# KiCad board gk-pcbv3.kicad_pcb (continued)
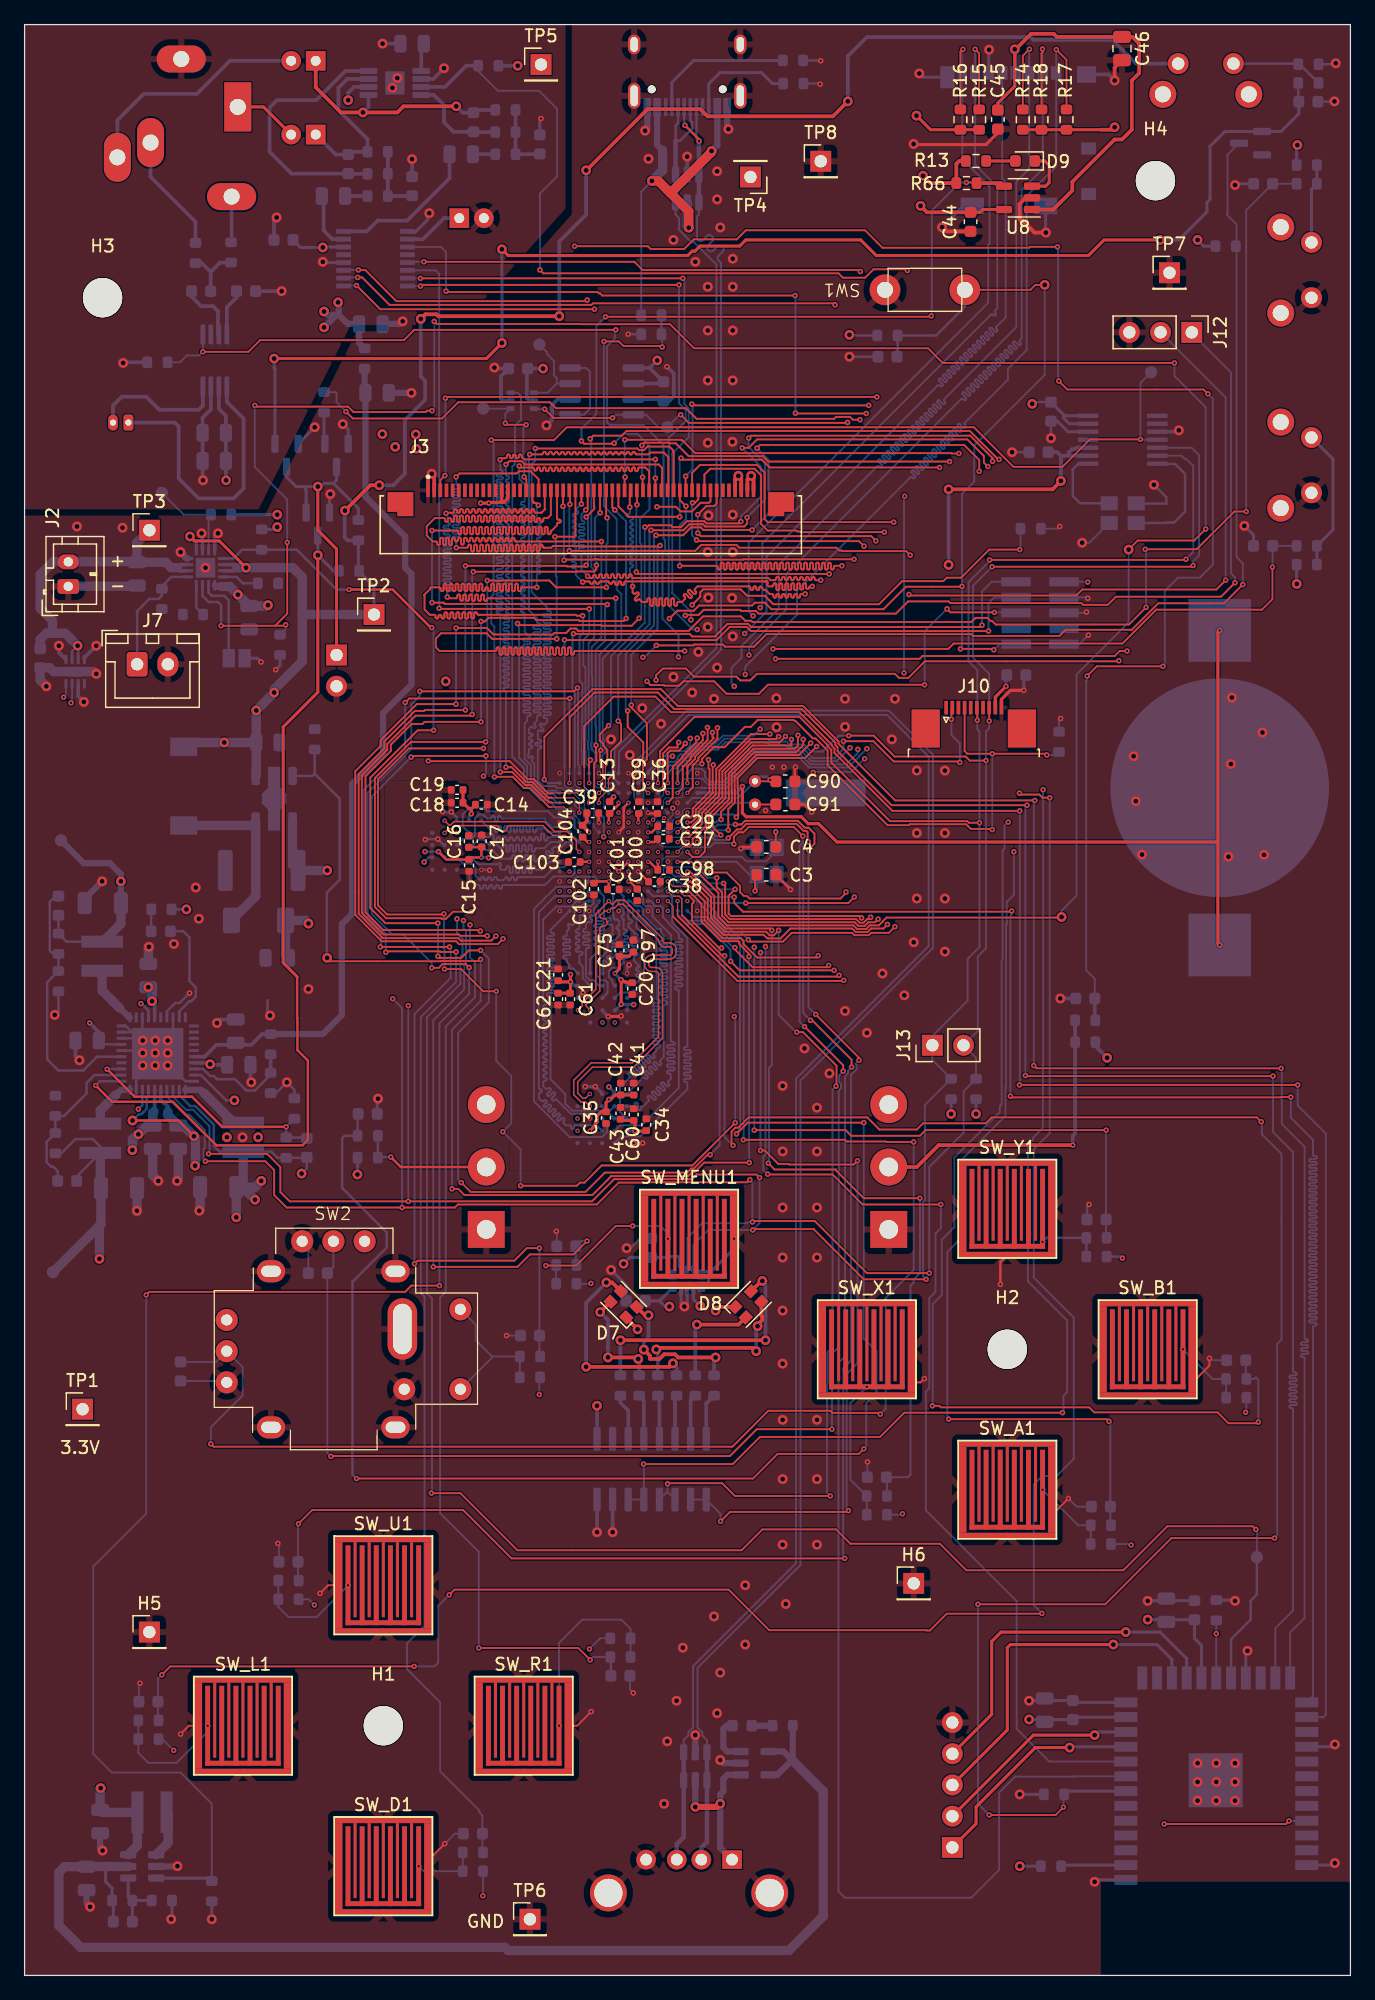
[diagram p0: board, top side]
## Routing (per net, layer and track width the routed paths; a pad name or vN(x,y) marks a point on that pad's centre or on a via; arc(x,y) is an arc through that point) (continued)
USB_D_P: length 65.3
  Top w0.203: v1(54.91,149.28) 54.91,149.41 v1(53.77,150.55)
  Bottom w0.152: U4.A9 48.39,97.85 48.39,98.88 ; 54.76,141.94 54.76,141.31 54.81,141.25
  Bottom w0.155: 54.76,141.94 54.76,143.14 54.9,143.29 U1.4 ; 54.81,141.25 54.87,141.19 arc(55.04,141.12) 55.21,141.19 55.58,141.56 arc(55.75,141.63) 55.92,141.56 56,141.48 arc(56.07,141.31) 56,141.14 55.63,140.77 arc(55.56,140.6) 55.63,140.43 55.72,140.34 arc(55.89,140.27) 56.06,140.34 56.43,140.71 arc(56.6,140.78) 56.76,140.71 56.85,140.63 arc(56.92,140.46) 56.85,140.29 56.48,139.92 arc(56.41,139.75) 56.48,139.58 56.69,139.37 56.69,107.88 48.39,99.57 48.39,98.88
  Bottom w0.203: v1(53.77,150.55) 53.7,150.62 J1.A6 ; v1(54.91,149.28) 54.7,149.49 J1.B6
  Bottom w0.366: 55.04,144.14 U1.4 U1.3 54.9,149.26 v1(54.91,149.28)
USB_HOST_D_N: length 126.7
  Bottom w0.155: U4.A7 49.97,98.56 49.99,98.58 49.99,99.01 53.9,102.92 70.38,102.92 73.97,99.34 73.97,83.62 63.17,72.82 63.17,33.4 54.79,25.02 54.79,20.13 54.85,20.13 55.18,19.79 55.18,19.53 55.56,19.15 U23.3
  Bottom w0.366: U23.3 U23.4 55.56,10.86 55.1,10.4 J14.2
USB_HOST_D_P: length 126.5
  Bottom w0.155: U4.B7 50.34,97.4 50.34,98.86 54.05,102.56 70.23,102.56 73.61,99.19 73.61,83.77 62.81,72.97 62.81,33.55 54.43,25.17 54.43,20.13 54.37,20.13 54.04,19.79 54.04,19.53 53.66,19.15 U23.1
  Bottom w0.366: U23.1 U23.6 53.66,11.24 53.1,10.68 J14.3
USB_VBUS: length 38.9
  Top w0.762: v2(54.08,142.23) 54.08,143.55 52.59,145.04 ; 52.59,145.04 55.93,148.38 v2(55.93,148.47) ; 52.59,145.04 51.6,146.03 v2(51.08,146.03)
  Bottom w0.152: R53.1 50.2,145.15 v2(51.08,146.03)
  Bottom w0.508: v2(55.93,148.47) 56.4,148.93 J1.A9 ; 16,113.03 15.57,113.03 U21.13 ; J1.A4 51.5,148.96 51.95,148.52
  Bottom w0.762: U1.5 53.95,142.35 v2(54.08,142.23) ; v2(51.08,146.03) 51.95,146.9 51.95,148.52 ; 16,113.03 16.7,113.03 C1.1 19.75,111.44 v2(19.81,111.51)
  vias: v2(17.37,112.36)
VCAP: length 128.1
  Top w0.203: C39.1 46.74,93.85 v3(46.77,93.83) ; C36.1 50.84,94.55 v3(50.77,94.63) ; C38.1 49.99,89.83 v3(49.97,89.83) ; v3(48.37,93.03) 48.78,93.44 48.78,95.04 v3(49.17,95.43)
  In2.Cu w0.203: 50.36,89.43 v3(49.97,89.83) 50.39,90.25 ; 50.36,89.43 50.52,89.27 50.52,89.18 51.08,88.62 54.23,88.62 54.71,89.1 54.86,89.1 54.52,89.45 ; 50.36,89.43 53.42,89.43 53.43,89.45 54.52,89.45 ; 50.39,90.25 50.39,91.01 v3(49.97,91.43) ; 50.39,90.25 52.6,90.25 52.61,90.25 54.25,90.25 54.52,89.98 54.52,89.45
  In2.Cu w0.762: 54.86,89.1 56.82,87.15 56.82,84.91 55.96,84.05 55.96,82.45 56.85,81.56 56.85,66.73 53.24,63.12 35.81,63.12 34.8,62.1 34.8,61.98 34.29,61.47 28.8,61.47 28.68,61.6 20.33,61.6 15.63,56.9 7.37,56.9 6.1,58.17 v2(6.1,58.32)
  In3.Cu w0.203: 49.38,91.06 48.73,91.06 v3(48.37,91.43) ; 49.38,91.06 49.6,90.84 49.6,90.19 v3(49.97,89.83) ; 49.38,91.06 49.6,91.06 v3(49.97,91.43)
  Bottom w0.203: C77.1 4.25,65.02 L5.1 6.16,67.44 5.56,68.05 4.13,68.05 2.97,66.89 R95.1
  Bottom w0.762: 6.21,61.13 C27.1 6.21,63.58 ; 6.21,61.13 TP12.1 ; 6.21,61.13 6.1,61.01 v2(6.1,58.32) ; L5.1 6.16,64.11
  vias: v3(46.77,90.63) v3(49.97,93.03)
VFB_B1: length 21.2
  Top w0.203: v1(6.72,73.74) 8.96,71.51 13.63,71.51 16.08,69.06 v1(21.3,69.06)
  Bottom w0.203: R90.1 v1(21.3,69.06) R89.2 22.92,68.18 C78.2 ; v1(6.72,73.74) 6.74,73.76 U26.23
VFB_B2: length 13.3
  Bottom w0.203: C77.2 2.7,65.45 2.33,65.82 2.15,65.82 1.8,66.17 1.8,67.83 R95.2 R96.1 3.23,69.94 5.05,71.76 5.05,72.63 5.68,73.26 U26.22
VFB_B3: length 21.5
  Bottom w0.203: U26.25 5.89,74.76 5.89,74.74 4.79,73.64 2.74,73.64 1.85,74.54 1.85,80.82 R94.1 R93.2 2.32,83.13 2.05,83.4 2.05,87.36 2.52,87.83 C85.2
VFB_L1: length 9.2
  Bottom w0.203: R72.1 20.03,73.29 18.76,72.02 18.05,72.02 17.14,72.93 15.66,72.93 15.41,73.18 15.11,73.18 14.53,73.76 U26.8
  Bottom w0.305: R55.2 R72.1
VLITH: length 28.8
  Bottom w0.203: U10.3 4.36,108.16 v2(4.32,108.2) 3.86,107.75 U10.2
  Bottom w0.305: U21.3 12.7,114.8 12.45,114.55 12.7,114.3 U21.2
  Bottom w0.762: TP3.1 9.14,116.59 C2.1 ; 2.27,109.22 1.78,109.22 1.27,108.71 C79.1 ; 2.27,109.22 3.3,109.22 v2(4.32,108.2) ; 2.27,109.22 2.27,110.25 1.27,111.25 1.27,114 2.32,115.05 9.09,115.05 C2.1 ; 12.45,114.55 11.94,114.55 11.5,115 C2.1
VREG_PGOOD: length 9.1
  Bottom w0.203: U26.39 12.59,78.44 13.43,79.28 13.58,79.28 13.94,79.64 13.94,80.4 13.43,80.91 13.43,84.46 12.92,84.97 D1.1
VREGEN: length 75.1
  Top w0.203: 22.19,81.27 22.19,77.92 22.22,77.89 22.22,75.29 23.07,74.44 23.07,67.99 22.62,67.54 15.62,67.54 12.07,71.09 7.12,71.09 v1(5.79,72.42)
  Top w0.25: v2(23.88,115.57) 23.88,104.42 21.06,101.6 21.06,82.4 22.19,81.27
  Bottom w0.203: v1(5.79,72.42) 6.14,72.76 U26.21
  Bottom w0.25: R82.2 25.15,114.3 v2(23.88,115.57) Q4.3
VREGIN: length 255.8
  Top w0.203: v2(8.79,69.57) 12.52,69.57 v2(13.79,68.29)
  Top w0.25: v2(18.03,114.55) 15.85,116.73 13.82,116.73 v2(13.46,117.09)
  Top w0.305: v2(32.26,134.8) 32.64,135.18 33.53,135.18 33.69,135.02 v2(43.54,135.02) ; v2(45.72,146.89) 45.75,146.89 50.72,151.87 55.02,151.87 55.6,151.28 65.81,151.28 v2(67.03,152.5) ; v2(26.09,119.2) 28.14,121.26 v2(28.88,121.26)
  In3.Cu w0.305: 10.48,79.38 8.6,77.5 v1(5.3,77.5)
  In3.Cu w0.762: v2(6.2,15.24) 6.17,15.27 6.17,30.23 8.03,32.08 8.03,57.94 13.89,63.8 v2(13.89,65.9)
  Bottom w0.203: v2(8.79,69.57) 9.3,70.08 9.5,70.08 9.94,70.52 9.94,71.39 10.09,71.54 U26.17 ; R97.1 v2(13.18,86.75) ; C87.1 6.36,75.76 U26.27
  Bottom w0.25: R78.1 27.18,114.3 28.45,113.03 TP2.1 ; U21.5 13.98,116.57 v2(13.46,117.09)
  Bottom w0.305: U21.11 17.02,114.3 17.27,114.55 17.02,114.8 U21.10 ; v2(45.72,146.89) 45.72,143.28 43.54,141.1 v2(43.54,135.02) ; v2(28.88,121.26) 30.02,121.26 30.96,122.2 30.96,126.57 32.61,128.22 32.61,129.77 32.26,130.12 v2(32.26,134.8) ; U26.35 10.59,79.07 v2(10.38,79.28) ; SW_ONOFF1.2 90.5,155.58 88.57,157.51 82.12,157.51 81.89,157.73 68.58,157.73 67.03,156.18 v2(67.03,152.5) ; U26.15 11.09,71.25 11.39,70.94 11.44,70.94 11.67,70.72 11.67,70.29 ; C87.1 6.05,76.76 v1(5.3,77.5) ; U26.7 14.99,74.26 v2(15.11,74.15) 15.16,74.1 C28.1 ; U26.16 10.59,70.34 10.54,70.29 ; v2(26.09,119.2) 26.09,118.72 26.06,118.69 26.06,117.02 26.3,116.78 R78.1
  Bottom w0.762: 22.61,110.74 22.61,113.79 21.84,114.55 v2(18.03,114.55) 17.27,114.55 ; 22.61,110.74 TP2.1 ; 22.61,110.74 22.61,106.93 20.32,104.65 v2(20.32,104.39) v2(18.86,102.94) C30.1 ; L1.1 13.31,100.33 C30.1 ; v2(10.38,79.28) 10.38,80.11 v2(10.08,80.41) ; C30.1 18.86,97.65 U22.1 ; v2(13.89,65.9) 13.91,65.92 13.91,68.17 v2(13.79,68.29) 12.93,69.16 C89.1 11.67,70.01 11.67,70.29 ; U20.6 9.19,10.57 L2.2 6.35,13.27 C7.1 6.15,15.19 v2(6.2,15.24) ; 10.54,70.29 10.43,70.19 C88.1 9.98,69.16 v2(9.27,68.44) 9.2,68.44 8.78,68.03 v2(8.78,67.17)
  vias: v2(16.26,100.33)
VUSB_OUT: length 100.3
  Bottom w0.254: 6.6,8.87 6.6,7.62 7.13,7.1 R12.1 7.23,6 C9.1
  Bottom w0.508: 62.48,17.53 62.55,17.59 R73.2 ; 62.48,17.53 61.28,16.32 U24.5 ; 62.48,17.53 61.79,18.22 U24.4
  Bottom w0.762: 62.48,17.53 65.02,14.99 65.02,4.83 62.23,2.03 39.37,2.03 39.12,2.29 4.57,2.29 2.79,4.06 2.79,8.38 3.26,8.85 C10.1 5.08,8.87 U20.5
WIFI_CHIP_EN: length 135.8
  Top w0.09: 54.25,93.41 53.55,93.41 v3(53.17,93.03)
  Top w0.152: 54.2,93.41 54.22,93.41 54.9,94.08 54.9,94.72 56.28,96.1 56.28,97.01 56.31,97.05 56.31,98.17 59.15,101.02 v1(60.68,101.02) ; v1(89.76,107.77) 89.15,107.77 88.75,107.37 73.1,107.37 72.87,107.14 v1(61.14,107.14)
  In3.Cu w0.152: v1(61.14,107.14) 61.14,105.46 60.33,104.65 60.33,101.37 v1(60.68,101.02) ; v1(97.03,27.81) 97.03,33.88 93.37,37.54 93.37,57.05 93.29,57.12 93.29,59.97 89.48,63.78 89.48,100.61 89.76,100.89 v1(89.76,107.77)
  Bottom w0.152: 97.03,28.89 v1(97.03,27.81) 97.03,27.81 U25.19
WIFI_IRQ: length 158.4
  Top w0.152: v3(52.37,97.03) 52.37,98.36 52.35,98.37 52.35,99.44 52.58,99.67 53.29,99.67 53.64,100.03 53.64,100.1 v1(53.8,100.25) ; v1(102.95,12.57) 102.69,12.32 v1(92.79,12.32) ; v1(51.41,105.41) 51.41,105.79 51.97,106.35 53.85,106.35 54.51,105.69 57.96,105.69 58.27,105.38 59.08,105.38 59.61,105.92 70.87,105.92 71.2,105.59 71.96,105.59 73.3,106.93 89.05,106.93 v1(89.1,106.98)
  In3.Cu w0.152: v1(51.41,105.41) 51.41,104.95 54.06,102.3 54.06,101.09 53.8,100.83 v1(53.8,100.25) ; v1(92.79,12.32) 92.74,12.37 92.74,31.55 92.79,31.6 92.79,31.72 92.99,31.93 92.99,59.61 89.1,63.5 v1(89.1,106.98)
  Bottom w0.152: U25.33 104.38,12.57 v1(102.95,12.57)
WIFI_NRST: length 160.3
  Top w0.09: 53.51,86.27 53.51,87.62 53.31,87.82 52.77,87.82 v3(52.37,88.23)
  Top w0.152: v1(101.78,35.59) 93.37,35.59 87.99,30.2 v1(77.62,30.2) ; 78.74,69.82 100.33,69.82 v1(100.69,69.47) ; v1(57.68,67.54) 57.56,67.66 57.56,68.66 57.89,68.99 58.12,68.99 58.95,69.82 68.61,69.82 69.6,68.83 72.64,68.83 73.15,69.34 74.42,69.34 ; 53.51,86.27 56.8,82.98 v1(56.99,82.98) ; v1(78.54,13.06) 83.95,13.06 v1(84.58,13.69)
  Top w0.156: 78.74,69.82 78.26,69.34 74.42,69.34
  Bottom w0.152: v1(84.58,13.69) 84.58,14.67 R27.1 ; v1(56.99,82.98) 56.99,68.23 v1(57.68,67.54) ; v1(78.54,13.06) 77.62,13.97 v1(77.62,30.2) ; v1(100.69,69.47) 100.74,69.42 100.74,68.45 102.34,66.85 102.34,51.74 101.98,51.38 101.98,35.79 v1(101.78,35.59)
  Bottom w0.254: R27.1 84.91,15 U25.7
XPSI2_RESET#: length 23.5
  Top w0.09: 42.92,96.2 42.94,96.23 v3(45.17,96.23)
  Top w0.152: 42.92,96.2 42.62,96.2 41.47,97.35 40.97,97.35 39.51,98.81 32.89,98.81 v1(32.87,98.83)
  In3.Cu w0.152: v1(32.87,98.83) 32.87,94.72 31.67,93.52 31.67,91.14 32.05,90.75 32.38,90.75 v1(32.54,90.6)
  Bottom w0.152: v1(32.54,90.6) 32.91,90.97 U5.A4
XSPI1_CK_N: length 38
  Top w0.122: v3(46.02,71.73) 45.69,71.39 45.45,71.39 45.04,71.8 45.04,72.71 46.23,73.91 49.58,73.91 51.94,76.26 51.94,81.46 arc(51.77,81.86) 51.37,82.02 51.05,82.02 arc(50.88,82.09) 50.81,82.26 50.81,82.46 arc(50.88,82.63) 51.05,82.7 52.5,82.7 arc(52.9,82.86) 53.06,83.26 53.06,83.46 arc(52.9,83.86) 52.5,84.02 52.17,84.02 arc(52.01,84.09) 51.94,84.26 51.94,84.4 48.84,87.49 48.21,87.49 47.9,87.19 47.8,87.19 v3(47.57,87.43) 46.51,86.37 46.51,80.25 45.4,79.13 45.4,78.88 v3(45.06,78.54)
XSPI1_CK_P: length 38
  Top w0.122: v3(46.06,78.54) 45.72,78.88 45.72,79 46.84,80.11 46.84,85.16 arc(46.91,85.33) 47.08,85.4 47.17,85.4 arc(47.34,85.47) 47.41,85.64 47.41,85.76 arc(47.34,85.93) 47.17,86 47.08,86 arc(46.91,86.07) 46.84,86.24 47.23,86.63 v3(47.57,86.63) 47.8,86.86 48.04,86.86 48.35,87.17 48.7,87.17 51.61,84.26 arc(51.78,83.86) 52.17,83.7 52.5,83.7 arc(52.67,83.63) 52.74,83.46 52.74,83.26 arc(52.67,83.09) 52.5,83.02 51.05,83.02 arc(50.65,82.86) 50.49,82.46 50.49,82.26 arc(50.65,81.86) 51.05,81.7 51.37,81.7 arc(51.54,81.63) 51.61,81.46 51.61,76.4 49.47,74.26 46.12,74.26 44.71,72.85 44.71,71.67 45.31,71.07 45.69,71.07 v3(46.02,70.73)
XSPI1_CS#: length 22.5
  In3.Cu w0.156: v3(45.17,86.63) 46.65,85.15 46.65,80.37 46.44,80.16 46.44,78.05 46.63,77.86 46.73,77.86 v3(47.06,77.54) 47.06,77.18 48.54,75.7 48.54,69.79 47.88,69.13 46.17,69.13 46.04,69.25 45.5,69.25 v3(45.02,69.73)
XSPI1_DQ0: length 11.3
  Bottom w0.156: U4.P11 46.77,87.27 46.37,86.88 46.37,86.23 arc(46.3,86.2) 46.23,86.23 46.21,86.24 arc(46.14,86.27) 46.07,86.24 46.03,86.21 arc(46,86.14) 46.03,86.06 46.21,85.88 arc(46.24,85.81) 46.21,85.74 46.17,85.7 arc(46.1,85.67) 46.03,85.7 46.01,85.72 arc(45.94,85.75) 45.86,85.72 45.7,85.56 45.7,85.25 arc(45.67,85.18) 45.6,85.15 45.58,85.15 arc(45.5,85.12) 45.47,85.04 45.47,84.99 arc(45.5,84.92) 45.58,84.89 45.88,84.89 arc(45.95,84.86) 45.98,84.79 45.98,84.73 arc(45.95,84.66) 45.88,84.63 45.58,84.63 arc(45.5,84.6) 45.47,84.53 45.47,84.48 arc(45.5,84.4) 45.58,84.37 45.88,84.37 arc(45.95,84.34) 45.98,84.27 45.98,84.22 arc(45.95,84.14) 45.88,84.11 45.58,84.11 arc(45.5,84.08) 45.47,84.01 45.47,83.96 arc(45.5,83.89) 45.58,83.86 45.88,83.86 arc(45.95,83.83) 45.98,83.75 45.98,83.7 arc(45.95,83.63) 45.88,83.6 45.81,83.6 arc(45.73,83.57) 45.7,83.49 45.7,81.3 46.02,80.98 46.32,80.98 46.76,80.54 U6.D3
XSPI1_DQ1: length 11.3
  Bottom w0.156: U6.D2 45.45,81.15 45.45,82.11 45.17,82.38 45.17,82.95 arc(45.2,83.02) 45.28,83.05 45.32,83.05 arc(45.39,83.08) 45.42,83.16 45.42,83.21 arc(45.39,83.28) 45.32,83.31 44.98,83.31 arc(44.9,83.34) 44.87,83.41 44.87,83.47 arc(44.9,83.54) 44.98,83.57 45.07,83.57 arc(45.14,83.6) 45.17,83.67 45.17,83.72 arc(45.14,83.8) 45.07,83.83 44.98,83.83 arc(44.9,83.86) 44.87,83.93 44.87,83.98 arc(44.9,84.05) 44.98,84.08 45.07,84.08 arc(45.14,84.11) 45.17,84.19 45.17,84.24 arc(45.14,84.31) 45.07,84.34 44.98,84.34 arc(44.9,84.37) 44.87,84.45 44.87,84.5 arc(44.9,84.57) 44.98,84.6 45.07,84.6 arc(45.14,84.63) 45.17,84.7 45.17,84.76 arc(45.14,84.83) 45.07,84.86 44.98,84.86 arc(44.9,84.89) 44.87,84.96 44.87,85.01 arc(44.9,85.09) 44.98,85.12 45.07,85.12 arc(45.14,85.15) 45.17,85.22 45.17,85.84 45.24,85.9 arc(45.27,85.97) 45.24,86.05 45.21,86.08 arc(45.18,86.15) 45.21,86.22 45.24,86.26 arc(45.32,86.29) 45.39,86.26 45.42,86.23 arc(45.49,86.2) 45.57,86.23 45.57,86.87 45.72,87.03 46.12,87.03 46.32,87.23 46.32,87.87 U4.N12
XSPI1_DQ2: length 11.3
  Bottom w0.156: U4.N9 48.77,87.82 48.77,87.18 48.92,87.03 49.27,87.03 49.52,86.78 49.52,86.18 49.82,85.88 49.82,85.27 50.42,84.68 50.42,84.68 50.42,80.88 49.67,80.13 49.52,80.13 49.37,79.98 48.5,79.98 U6.C4
XSPI1_DQ3: length 11.3
  Bottom w0.156: U6.D4 47.87,80.72 47.87,80.93 47.57,81.23 47.57,81.73 47.85,82 48.35,82 48.77,82.43 48.77,82.68 arc(48.8,82.75) 48.88,82.78 49.03,82.78 arc(49.1,82.81) 49.13,82.89 49.13,82.94 arc(49.1,83.01) 49.03,83.04 48.57,83.04 arc(48.5,83.07) 48.47,83.14 48.47,83.2 arc(48.5,83.27) 48.57,83.3 49.03,83.3 arc(49.1,83.33) 49.13,83.4 49.13,83.45 arc(49.1,83.53) 49.03,83.56 48.88,83.56 arc(48.8,83.59) 48.77,83.66 48.77,83.71 arc(48.8,83.78) 48.88,83.82 49.03,83.82 arc(49.1,83.85) 49.13,83.92 49.13,83.97 arc(49.1,84.04) 49.03,84.07 48.88,84.07 arc(48.8,84.1) 48.77,84.18 48.77,84.23 arc(48.8,84.3) 48.88,84.33 49.03,84.33 arc(49.1,84.36) 49.13,84.43 49.13,84.49 arc(49.1,84.56) 49.03,84.59 48.88,84.59 arc(48.8,84.62) 48.77,84.69 48.77,84.74 arc(48.8,84.82) 48.88,84.85 48.93,84.85 arc(49,84.88) 49.03,84.95 49.03,85 arc(49,85.08) 48.93,85.11 48.88,85.11 arc(48.8,85.14) 48.77,85.21 48.77,85.93 arc(48.75,85.98) 48.7,86 arc(48.64,86.03) 48.62,86.08 48.62,86.18 arc(48.64,86.24) 48.7,86.26 arc(48.75,86.29) 48.77,86.34 48.77,86.79 48.37,87.19 U4.P9
XSPI1_DQ4: length 11.3
  Bottom w0.156: U6.D5 49.15,80.63 49.67,80.63 50.07,81.03 50.07,81.15 arc(50.04,81.22) 49.97,81.25 49.88,81.25 arc(49.8,81.28) 49.77,81.35 49.77,81.41 arc(49.8,81.48) 49.88,81.51 49.97,81.51 arc(50.04,81.54) 50.07,81.61 50.07,81.66 arc(50.04,81.74) 49.97,81.77 49.88,81.77 arc(49.8,81.8) 49.77,81.87 49.77,81.92 arc(49.8,81.99) 49.88,82.02 49.97,82.02 arc(50.04,82.06) 50.07,82.13 49.62,82.58 49.62,82.87 arc(49.65,82.94) 49.73,82.97 49.82,82.97 arc(49.89,83) 49.92,83.07 49.92,83.12 arc(49.89,83.2) 49.82,83.23 49.52,83.23 arc(49.45,83.26) 49.42,83.33 49.42,83.39 arc(49.45,83.46) 49.52,83.48 49.82,83.48 arc(49.89,83.51) 49.92,83.59 49.92,83.64 arc(49.89,83.71) 49.82,83.74 49.52,83.74 arc(49.45,83.77) 49.42,83.84 49.42,83.9 arc(49.45,83.97) 49.52,84 49.82,84 arc(49.89,84.03) 49.92,84.1 49.92,84.16 arc(49.89,84.23) 49.82,84.26 49.52,84.26 arc(49.45,84.29) 49.42,84.36 49.42,84.42 arc(49.45,84.49) 49.52,84.52 49.82,84.52 arc(49.89,84.55) 49.92,84.62 49.92,84.67 arc(49.89,84.74) 49.82,84.77 49.73,84.77 arc(49.65,84.81) 49.62,84.88 49.17,85.34 49.17,85.56 arc(49.2,85.63) 49.27,85.66 49.36,85.66 arc(49.44,85.69) 49.47,85.76 49.47,85.82 arc(49.44,85.89) 49.36,85.92 49.27,85.92 arc(49.2,85.95) 49.17,86.02 U4.R8
XSPI1_DQ5: length 11.3
  Bottom w0.156: U6.E3 47.06,81.96 47.21,82.12 arc(47.24,82.19) 47.21,82.26 47.09,82.39 arc(47.06,82.46) 47.09,82.53 47.13,82.57 arc(47.2,82.6) 47.27,82.57 47.56,82.28 arc(47.63,82.25) 47.7,82.28 47.74,82.32 arc(47.77,82.39) 47.74,82.47 47.45,82.75 arc(47.42,82.82) 47.45,82.9 47.49,82.93 arc(47.56,82.96) 47.64,82.93 47.76,82.81 arc(47.83,82.78) 47.91,82.81 48.12,83.03 48.12,83.35 arc(48.09,83.42) 48.02,83.45 47.9,83.45 arc(47.82,83.48) 47.79,83.55 47.79,83.61 arc(47.82,83.68) 47.9,83.71 48.35,83.71 arc(48.42,83.74) 48.45,83.81 48.45,83.86 arc(48.42,83.94) 48.35,83.97 47.9,83.97 arc(47.82,84) 47.79,84.07 47.79,84.12 arc(47.82,84.19) 47.9,84.22 48.02,84.22 arc(48.09,84.26) 48.12,84.33 48.42,84.63 48.42,85.01 arc(48.39,85.08) 48.32,85.11 48.3,85.11 arc(48.22,85.14) 48.19,85.21 48.19,85.26 arc(48.22,85.34) 48.3,85.37 48.32,85.37 arc(48.39,85.4) 48.42,85.47 48.42,85.78 48.27,85.93 arc(48.21,85.95) 48.16,85.93 arc(48.1,85.9) 48.04,85.93 47.97,85.99 arc(47.95,86.05) 47.97,86.11 arc(48,86.17) 47.97,86.23 47.92,86.28 47.92,87.87 U4.N10
XSPI1_DQ6: length 11.3
  Bottom w0.156: U4.R11 46.77,86.16 arc(46.74,86.09) 46.66,86.06 46.62,86.06 arc(46.55,86.03) 46.52,85.96 46.52,85.9 arc(46.55,85.83) 46.62,85.8 47.06,85.8 arc(47.13,85.77) 47.16,85.7 47.16,85.65 arc(47.13,85.57) 47.06,85.54 46.47,85.54 arc(46.4,85.51) 46.37,85.44 46.37,85.39 arc(46.4,85.31) 46.47,85.28 47.06,85.28 arc(47.13,85.25) 47.16,85.18 47.16,85.13 arc(47.13,85.06) 47.06,85.03 46.47,85.03 arc(46.4,85) 46.37,84.92 46.37,84.87 arc(46.4,84.8) 46.47,84.77 47.06,84.77 arc(47.13,84.74) 47.16,84.67 47.16,84.61 arc(47.13,84.54) 47.06,84.51 46.47,84.51 arc(46.4,84.48) 46.37,84.41 46.37,84.36 arc(46.4,84.28) 46.47,84.25 47.06,84.25 arc(47.13,84.22) 47.16,84.15 47.16,84.1 arc(47.13,84.02) 47.06,83.99 46.47,83.99 arc(46.4,83.96) 46.37,83.89 46.37,83.84 arc(46.4,83.77) 46.47,83.74 46.66,83.74 arc(46.74,83.71) 46.77,83.63 46.77,83.42 46.06,82.71 U6.E2
XSPI1_DQ7: length 11.3
  Bottom w0.156: U4.P12 45.76,87.43 45.36,87.03 44.97,87.03 44.77,86.83 44.77,85.62 44.71,85.55 44.71,85.54 44.65,85.48 arc(44.58,85.45) 44.5,85.48 44.45,85.54 arc(44.37,85.57) 44.3,85.54 44.26,85.51 arc(44.23,85.43) 44.26,85.36 44.32,85.3 arc(44.35,85.23) 44.32,85.16 44.14,84.98 44.14,84.67 arc(44.11,84.6) 44.04,84.57 43.96,84.57 arc(43.88,84.53) 43.85,84.46 43.85,84.41 arc(43.88,84.34) 43.96,84.31 44.33,84.31 arc(44.4,84.28) 44.43,84.2 44.43,84.15 arc(44.4,84.08) 44.33,84.05 43.96,84.05 arc(43.88,84.02) 43.85,83.95 43.85,83.89 arc(43.88,83.82) 43.96,83.79 44.33,83.79 arc(44.4,83.76) 44.43,83.69 44.43,83.64 arc(44.4,83.56) 44.33,83.53 43.96,83.53 arc(43.88,83.5) 43.85,83.43 43.85,83.38 arc(43.88,83.31) 43.96,83.27 44.33,83.27 arc(44.4,83.24) 44.43,83.17 44.43,83.12 arc(44.4,83.05) 44.33,83.02 43.96,83.02 arc(43.88,82.99) 43.85,82.91 43.85,82.86 arc(43.88,82.79) 43.96,82.76 44.04,82.76 arc(44.11,82.73) 44.14,82.66 44.14,82.46 44.36,82.24 arc(44.39,82.17) 44.36,82.11 arc(44.33,82.05) 44.36,81.98 44.41,81.93 arc(44.48,81.9) 44.54,81.93 arc(44.61,81.95) 44.67,81.93 U6.E1
XSPI1_DQ8: length 31.1
  Bottom w0.156: U4.P13 44.9,87.43 44.86,87.38 44.86,87.31 44.53,86.98 43.28,86.98 42.22,85.93 42.22,79.35 arc(42.25,79.27) 42.33,79.24 42.41,79.24 arc(42.48,79.21) 42.51,79.14 42.51,79.09 arc(42.48,79.01) 42.41,78.98 42.33,78.98 arc(42.25,78.95) 42.22,78.88 42.22,78.83 arc(42.25,78.76) 42.33,78.73 42.41,78.73 arc(42.48,78.7) 42.51,78.62 42.51,78.57 arc(42.48,78.5) 42.41,78.47 42.33,78.47 arc(42.25,78.44) 42.22,78.36 42.22,78.31 arc(42.25,78.24) 42.33,78.21 42.41,78.21 arc(42.48,78.18) 42.51,78.11 42.51,78.05 arc(42.48,77.98) 42.41,77.95 42.33,77.95 arc(42.25,77.92) 42.22,77.85 42.22,77.8 arc(42.25,77.72) 42.33,77.69 42.41,77.69 arc(42.48,77.66) 42.51,77.59 42.51,77.54 arc(42.48,77.47) 42.41,77.44 42.33,77.44 arc(42.25,77.41) 42.22,77.33 42.22,77.28 arc(42.25,77.21) 42.33,77.18 42.41,77.18 arc(42.48,77.15) 42.51,77.07 42.51,77.02 arc(42.48,76.95) 42.41,76.92 42.33,76.92 arc(42.25,76.89) 42.22,76.82 42.22,76.76 arc(42.25,76.69) 42.33,76.66 42.41,76.66 arc(42.48,76.63) 42.51,76.56 42.51,76.51 arc(42.48,76.43) 42.41,76.4 42.33,76.4 arc(42.25,76.37) 42.22,76.3 42.22,76.25 arc(42.25,76.18) 42.33,76.15 42.41,76.15 arc(42.48,76.11) 42.51,76.04 42.51,75.99 arc(42.48,75.92) 42.41,75.89 42.33,75.89 arc(42.25,75.86) 42.22,75.78 42.22,75.73 arc(42.25,75.66) 42.33,75.63 42.41,75.63 arc(42.48,75.6) 42.51,75.53 42.51,75.47 arc(42.48,75.4) 42.41,75.37 42.33,75.37 arc(42.25,75.34) 42.22,75.27 42.22,75.22 arc(42.25,75.14) 42.33,75.11 42.41,75.11 arc(42.48,75.08) 42.51,75.01 42.51,74.96 arc(42.48,74.89) 42.41,74.85 42.33,74.85 arc(42.25,74.82) 42.22,74.75 42.22,74.7 arc(42.25,74.63) 42.33,74.6 42.41,74.6 arc(42.48,74.57) 42.51,74.49 42.51,74.44 arc(42.48,74.37) 42.41,74.34 42.33,74.34 arc(42.25,74.31) 42.22,74.24 42.22,74.18 arc(42.25,74.11) 42.33,74.08 42.41,74.08 arc(42.48,74.05) 42.51,73.98 42.51,73.93 arc(42.48,73.85) 42.41,73.82 42.33,73.82 arc(42.25,73.79) 42.22,73.72 42.22,73.67 arc(42.25,73.59) 42.33,73.56 42.41,73.56 arc(42.48,73.53) 42.51,73.46 42.51,73.41 arc(42.48,73.34) 42.41,73.31 42.33,73.31 arc(42.25,73.28) 42.22,73.2 42.22,73.15 arc(42.25,73.08) 42.33,73.05 42.41,73.05 arc(42.48,73.02) 42.51,72.95 42.51,72.89 arc(42.48,72.82) 42.41,72.79 42.33,72.79 arc(42.25,72.76) 42.22,72.69 42.22,72.36 42.44,72.15 arc(42.51,72.11) 42.59,72.15 42.64,72.2 arc(42.72,72.23) 42.79,72.2 42.83,72.17 arc(42.86,72.09) 42.83,72.02 42.57,71.76 arc(42.54,71.69) 42.57,71.61 42.6,71.58 arc(42.68,71.55) 42.75,71.58 43.01,71.84 arc(43.08,71.87) 43.16,71.84 43.19,71.8 arc(43.22,71.73) 43.19,71.65 42.93,71.4 arc(42.9,71.32) 42.93,71.25 42.97,71.21 arc(43.04,71.18) 43.11,71.21 43.17,71.27 arc(43.24,71.3) 43.32,71.27 44.47,70.12 47.64,70.12 U17.D3
XSPI1_DQ9: length 31.1
  Bottom w0.156: U4.R14 42.82,85.08 42.82,84.95 arc(42.85,84.88) 42.93,84.84 43.01,84.84 arc(43.09,84.81) 43.12,84.74 43.12,84.69 arc(43.09,84.62) 43.01,84.59 42.63,84.59 arc(42.56,84.56) 42.53,84.48 42.53,84.43 arc(42.56,84.36) 42.63,84.33 43.01,84.33 arc(43.09,84.3) 43.12,84.23 43.12,84.17 arc(43.09,84.1) 43.01,84.07 42.63,84.07 arc(42.56,84.04) 42.53,83.97 42.53,83.92 arc(42.56,83.84) 42.63,83.81 43.01,83.81 arc(43.09,83.78) 43.12,83.71 43.12,83.66 arc(43.09,83.58) 43.01,83.55 42.63,83.55 arc(42.56,83.52) 42.53,83.45 42.53,83.4 arc(42.56,83.33) 42.63,83.3 43.01,83.3 arc(43.09,83.27) 43.12,83.19 43.12,83.14 arc(43.09,83.07) 43.01,83.04 42.63,83.04 arc(42.56,83.01) 42.53,82.94 42.53,82.88 arc(42.56,82.81) 42.63,82.78 43.01,82.78 arc(43.09,82.75) 43.12,82.68 43.12,82.63 arc(43.09,82.55) 43.01,82.52 42.63,82.52 arc(42.56,82.49) 42.53,82.42 42.53,82.37 arc(42.56,82.29) 42.63,82.26 43.01,82.26 arc(43.09,82.23) 43.12,82.16 43.12,82.11 arc(43.09,82.04) 43.01,82.01 42.63,82.01 arc(42.56,81.98) 42.53,81.9 42.53,81.85 arc(42.56,81.78) 42.63,81.75 43.01,81.75 arc(43.09,81.72) 43.12,81.64 43.12,81.59 arc(43.09,81.52) 43.01,81.49 42.63,81.49 arc(42.56,81.46) 42.53,81.39 42.53,81.34 arc(42.56,81.26) 42.63,81.23 43.01,81.23 arc(43.09,81.2) 43.12,81.13 43.12,81.08 arc(43.09,81) 43.01,80.97 42.63,80.97 arc(42.56,80.94) 42.53,80.87 42.53,80.82 arc(42.56,80.75) 42.63,80.72 43.01,80.72 arc(43.09,80.69) 43.12,80.61 43.12,80.56 arc(43.09,80.49) 43.01,80.46 42.63,80.46 arc(42.56,80.43) 42.53,80.35 42.53,80.3 arc(42.56,80.23) 42.63,80.2 43.01,80.2 arc(43.09,80.17) 43.12,80.1 43.12,80.04 arc(43.09,79.97) 43.01,79.94 42.63,79.94 arc(42.56,79.91) 42.53,79.84 42.53,79.79 arc(42.56,79.71) 42.63,79.68 42.72,79.68 arc(42.79,79.65) 42.82,79.58 42.82,72.93 44.02,71.73 44.02,70.93 44.58,70.37 47.67,70.37 U17.D2
XSPI1_DQ10: length 31.1
  Bottom w0.156: U4.M12 45.57,88.63 45.57,88.07 45.33,87.83 43.17,87.83 41.87,86.53 41.87,72.21 arc(41.9,72.14) 41.98,72.11 42.01,72.11 arc(42.08,72.08) 42.11,72 42.11,71.95 arc(42.08,71.88) 42.01,71.85 41.98,71.85 arc(41.9,71.82) 41.87,71.75 41.87,71.38 42.09,71.16 arc(42.16,71.13) 42.24,71.16 42.3,71.22 arc(42.37,71.25) 42.44,71.22 42.48,71.18 arc(42.51,71.11) 42.48,71.04 42.28,70.84 arc(42.25,70.77) 42.28,70.71 42.33,70.66 arc(42.4,70.63) 42.46,70.66 42.66,70.85 arc(42.73,70.88) 42.81,70.85 42.84,70.82 arc(42.87,70.74) 42.84,70.67 42.65,70.47 arc(42.62,70.41) 42.65,70.34 42.7,70.29 arc(42.76,70.26) 42.83,70.29 43.03,70.49 arc(43.1,70.52) 43.17,70.49 43.21,70.45 arc(43.24,70.38) 43.21,70.31 43.01,70.11 arc(42.98,70.04) 43.01,69.98 43.06,69.93 arc(43.13,69.9) 43.19,69.93 43.39,70.12 arc(43.46,70.15) 43.54,70.12 43.57,70.09 arc(43.6,70.01) 43.57,69.94 43.38,69.74 arc(43.35,69.68) 43.38,69.61 43.43,69.56 arc(43.49,69.53) 43.56,69.56 43.75,69.76 arc(43.83,69.79) 43.9,69.76 43.94,69.72 arc(43.97,69.65) 43.94,69.58 43.88,69.52 arc(43.85,69.44) 43.88,69.37 44.07,69.18 44.38,69.18 arc(44.45,69.15) 44.48,69.07 44.48,68.99 arc(44.52,68.92) 44.59,68.89 44.64,68.89 arc(44.71,68.92) 44.74,68.99 44.74,69.07 arc(44.77,69.15) 44.85,69.18 46.57,69.18 U17.C4
XSPI1_DQ11: length 31.1
  Bottom w0.156: U4.P6 51,87.43 51.23,87.19 51.23,87.08 51.3,87.02 51.83,87.02 51.97,86.88 51.97,86.13 52.47,85.64 52.47,85.57 53.27,84.77 53.27,84.45 arc(53.3,84.38) 53.37,84.35 53.45,84.35 arc(53.52,84.32) 53.55,84.24 53.55,84.19 arc(53.52,84.12) 53.45,84.09 53.08,84.09 arc(53.01,84.06) 52.98,83.99 52.98,83.94 arc(53.01,83.86) 53.08,83.83 53.45,83.83 arc(53.52,83.8) 53.55,83.73 53.55,83.68 arc(53.52,83.6) 53.45,83.57 53.08,83.57 arc(53.01,83.54) 52.98,83.47 52.98,83.42 arc(53.01,83.35) 53.08,83.32 53.45,83.32 arc(53.52,83.29) 53.55,83.21 53.55,83.16 arc(53.52,83.09) 53.45,83.06 53.08,83.06 arc(53.01,83.03) 52.98,82.95 52.98,82.9 arc(53.01,82.83) 53.08,82.8 53.45,82.8 arc(53.52,82.77) 53.55,82.7 53.55,82.64 arc(53.52,82.57) 53.45,82.54 53.08,82.54 arc(53.01,82.51) 52.98,82.44 52.98,82.39 arc(53.01,82.31) 53.08,82.28 53.45,82.28 arc(53.52,82.25) 53.55,82.18 53.55,82.13 arc(53.52,82.06) 53.45,82.03 53.08,82.03 arc(53.01,82) 52.98,81.92 52.98,81.87 arc(53.01,81.8) 53.08,81.77 53.45,81.77 arc(53.52,81.74) 53.55,81.66 53.55,81.61 arc(53.52,81.54) 53.45,81.51 53.08,81.51 arc(53.01,81.48) 52.98,81.41 52.98,81.35 arc(53.01,81.28) 53.08,81.25 53.45,81.25 arc(53.52,81.22) 53.55,81.15 53.55,81.1 arc(53.52,81.02) 53.45,80.99 53.08,80.99 arc(53.01,80.96) 52.98,80.89 52.98,80.84 arc(53.01,80.77) 53.08,80.74 53.45,80.74 arc(53.52,80.7) 53.55,80.63 53.55,80.58 arc(53.52,80.51) 53.45,80.48 53.08,80.48 arc(53.01,80.45) 52.98,80.37 52.98,80.32 arc(53.01,80.25) 53.08,80.22 53.16,80.22 arc(53.24,80.19) 53.27,80.12 53.27,72.22 50.22,69.18 48.47,69.18 U17.D4